# KiCad board APA102_Matrix.kicad_pcb (continued)
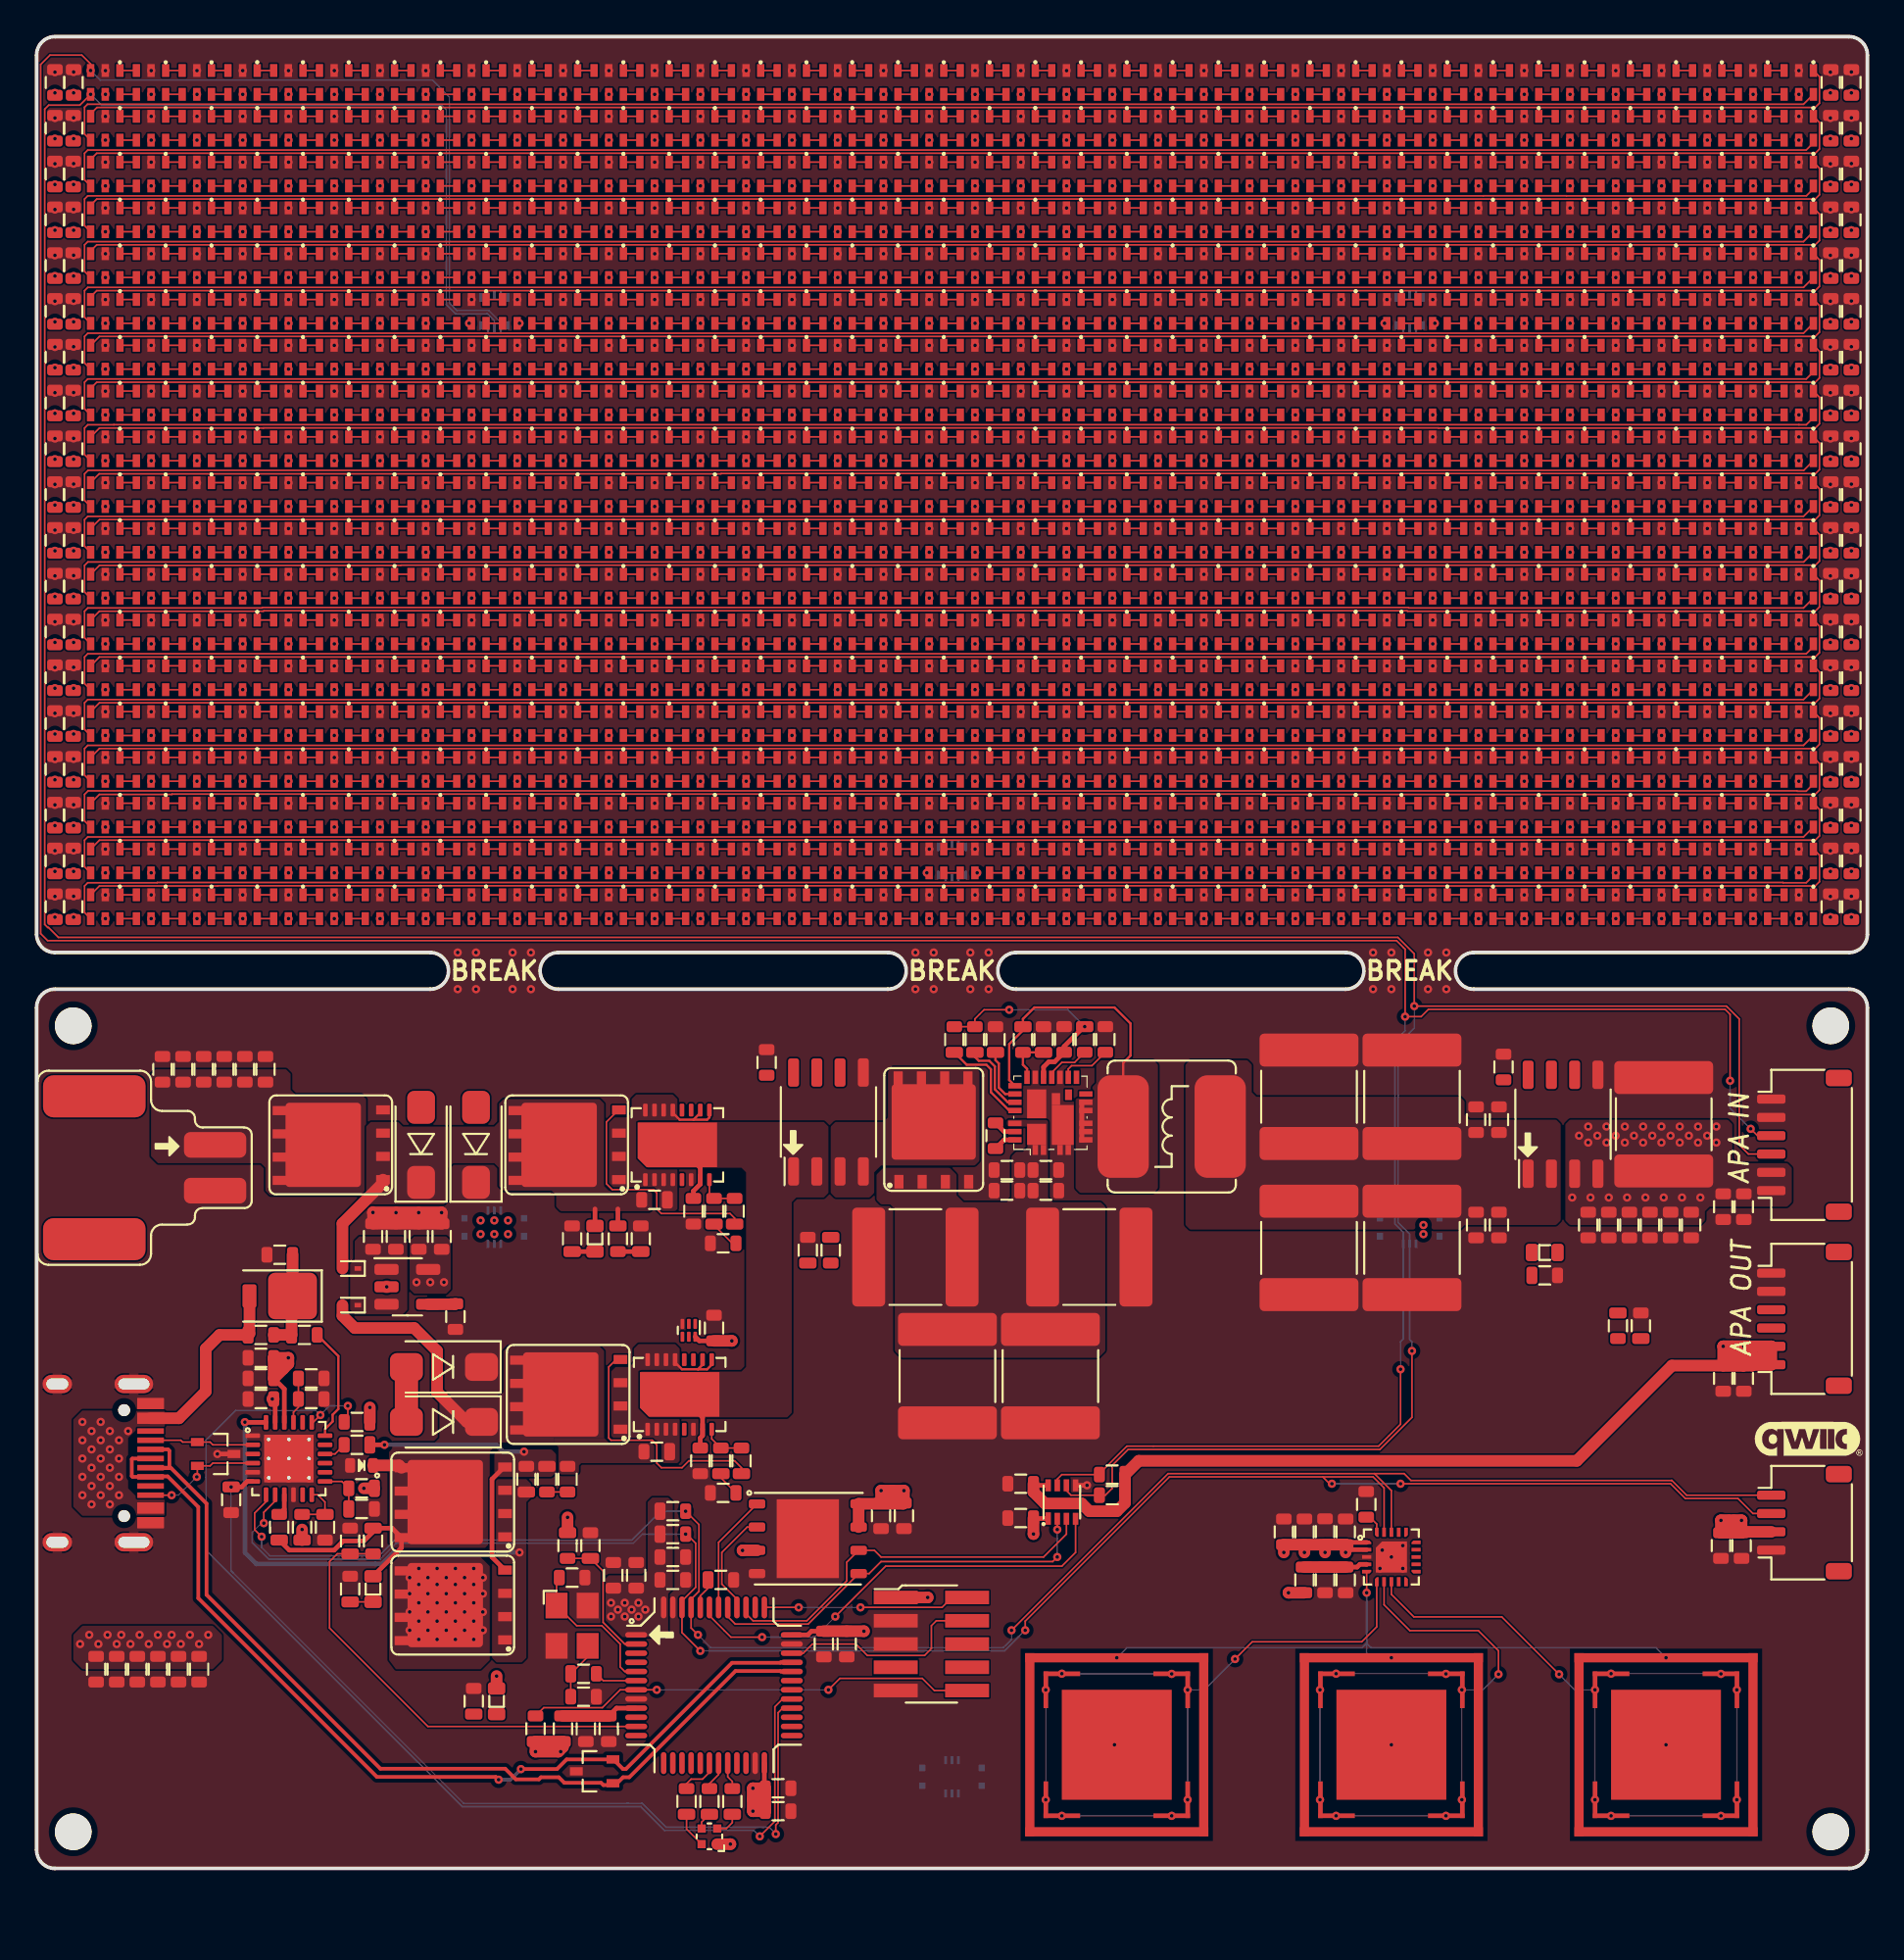
[diagram p0: board, top side]
## Routing (per net, layer and track width the routed paths; a pad name or vN(x,y) marks a point on that pad's centre or on a via; arc(x,y) is an arc through that point) (continued)
  F_PWR_SIGNAL.Cu w0.089: D502.1 D503.3
Net-(D502-Pad6): length 0.9
  F_PWR_SIGNAL.Cu w0.089: D502.6 D503.4
Net-(D503-Pad1): length 0.9
  F_PWR_SIGNAL.Cu w0.089: D503.1 D504.3
Net-(D503-Pad6): length 0.9
  F_PWR_SIGNAL.Cu w0.089: D503.6 D504.4
Net-(D504-Pad1): length 0.9
  F_PWR_SIGNAL.Cu w0.089: D504.1 D505.3
Net-(D504-Pad6): length 0.9
  F_PWR_SIGNAL.Cu w0.089: D504.6 D505.4
Net-(D505-Pad1): length 0.9
  F_PWR_SIGNAL.Cu w0.089: D505.1 D506.3
Net-(D505-Pad6): length 0.9
  F_PWR_SIGNAL.Cu w0.089: D505.6 D506.4
Net-(D506-Pad1): length 0.9
  F_PWR_SIGNAL.Cu w0.089: D506.1 D507.3
Net-(D506-Pad6): length 0.9
  F_PWR_SIGNAL.Cu w0.089: D506.6 D507.4
Net-(D507-Pad1): length 0.9
  F_PWR_SIGNAL.Cu w0.089: D507.1 D508.3
Net-(D507-Pad6): length 0.9
  F_PWR_SIGNAL.Cu w0.089: D507.6 D508.4
Net-(D508-Pad1): length 0.9
  F_PWR_SIGNAL.Cu w0.089: D508.1 D509.3
Net-(D508-Pad6): length 0.9
  F_PWR_SIGNAL.Cu w0.089: D508.6 D509.4
Net-(D509-Pad1): length 0.9
  F_PWR_SIGNAL.Cu w0.089: D509.1 D510.3
Net-(D509-Pad6): length 0.9
  F_PWR_SIGNAL.Cu w0.089: D509.6 D510.4
Net-(D510-Pad1): length 0.9
  F_PWR_SIGNAL.Cu w0.089: D510.1 D511.3
Net-(D510-Pad6): length 0.9
  F_PWR_SIGNAL.Cu w0.089: D510.6 D511.4
Net-(D511-Pad1): length 0.9
  F_PWR_SIGNAL.Cu w0.089: D511.1 D512.3
Net-(D511-Pad6): length 0.9
  F_PWR_SIGNAL.Cu w0.089: D511.6 D512.4
Net-(D512-Pad1): length 0.9
  F_PWR_SIGNAL.Cu w0.089: D512.1 D513.3
Net-(D512-Pad6): length 0.9
  F_PWR_SIGNAL.Cu w0.089: D512.6 D513.4
Net-(D513-Pad1): length 0.9
  F_PWR_SIGNAL.Cu w0.089: D513.1 D514.3
Net-(D513-Pad6): length 0.9
  F_PWR_SIGNAL.Cu w0.089: D513.6 D514.4
Net-(D514-Pad1): length 0.9
  F_PWR_SIGNAL.Cu w0.089: D514.1 D515.3
Net-(D514-Pad6): length 0.9
  F_PWR_SIGNAL.Cu w0.089: D514.6 D515.4
Net-(D515-Pad1): length 0.9
  F_PWR_SIGNAL.Cu w0.089: D515.1 D516.3
Net-(D515-Pad6): length 0.9
  F_PWR_SIGNAL.Cu w0.089: D515.6 D516.4
Net-(D516-Pad1): length 0.9
  F_PWR_SIGNAL.Cu w0.089: D516.1 D517.3
Net-(D516-Pad6): length 0.9
  F_PWR_SIGNAL.Cu w0.089: D516.6 D517.4
Net-(D517-Pad1): length 0.9
  F_PWR_SIGNAL.Cu w0.089: D517.1 D518.3
Net-(D517-Pad6): length 0.9
  F_PWR_SIGNAL.Cu w0.089: D517.6 D518.4
Net-(D518-Pad1): length 0.9
  F_PWR_SIGNAL.Cu w0.089: D518.1 D519.3
Net-(D518-Pad6): length 0.9
  F_PWR_SIGNAL.Cu w0.089: D518.6 D519.4
Net-(D519-Pad1): length 0.9
  F_PWR_SIGNAL.Cu w0.089: D519.1 D520.3
Net-(D519-Pad6): length 0.9
  F_PWR_SIGNAL.Cu w0.089: D519.6 D520.4
Net-(D520-Pad1): length 0.9
  F_PWR_SIGNAL.Cu w0.089: D520.1 D521.3
Net-(D520-Pad6): length 0.9
  F_PWR_SIGNAL.Cu w0.089: D520.6 D521.4
Net-(D521-Pad1): length 0.9
  F_PWR_SIGNAL.Cu w0.089: D521.1 D522.3
Net-(D521-Pad6): length 0.9
  F_PWR_SIGNAL.Cu w0.089: D521.6 D522.4
Net-(D522-Pad1): length 0.9
  F_PWR_SIGNAL.Cu w0.089: D522.1 D523.3
Net-(D522-Pad6): length 0.9
  F_PWR_SIGNAL.Cu w0.089: D522.6 D523.4
Net-(D523-Pad1): length 0.9
  F_PWR_SIGNAL.Cu w0.089: D523.1 D524.3
Net-(D523-Pad6): length 0.9
  F_PWR_SIGNAL.Cu w0.089: D523.6 D524.4
Net-(D524-Pad1): length 0.9
  F_PWR_SIGNAL.Cu w0.089: D524.1 D525.3
Net-(D524-Pad6): length 0.9
  F_PWR_SIGNAL.Cu w0.089: D524.6 D525.4
Net-(D525-Pad1): length 0.9
  F_PWR_SIGNAL.Cu w0.089: D525.1 D526.3
Net-(D525-Pad6): length 0.9
  F_PWR_SIGNAL.Cu w0.089: D525.6 D526.4
Net-(D526-Pad1): length 0.9
  F_PWR_SIGNAL.Cu w0.089: D526.1 D527.3
Net-(D526-Pad6): length 0.9
  F_PWR_SIGNAL.Cu w0.089: D526.6 D527.4
Net-(D527-Pad1): length 0.9
  F_PWR_SIGNAL.Cu w0.089: D527.1 D528.3
Net-(D527-Pad6): length 0.9
  F_PWR_SIGNAL.Cu w0.089: D527.6 D528.4
Net-(D528-Pad1): length 0.9
  F_PWR_SIGNAL.Cu w0.089: D528.1 D529.3
Net-(D528-Pad6): length 0.9
  F_PWR_SIGNAL.Cu w0.089: D528.6 D529.4
Net-(D529-Pad1): length 0.9
  F_PWR_SIGNAL.Cu w0.089: D529.1 D530.3
Net-(D529-Pad6): length 0.9
  F_PWR_SIGNAL.Cu w0.089: D529.6 D530.4
Net-(D530-Pad1): length 0.9
  F_PWR_SIGNAL.Cu w0.089: D530.1 D531.3
Net-(D530-Pad6): length 0.9
  F_PWR_SIGNAL.Cu w0.089: D530.6 D531.4
Net-(D531-Pad1): length 0.9
  F_PWR_SIGNAL.Cu w0.089: D531.1 D532.3
Net-(D531-Pad6): length 0.9
  F_PWR_SIGNAL.Cu w0.089: D531.6 D532.4
Net-(D533-Pad1): length 0.9
  F_PWR_SIGNAL.Cu w0.089: D533.1 D534.3
Net-(D533-Pad6): length 0.9
  F_PWR_SIGNAL.Cu w0.089: D533.6 D534.4
Net-(D534-Pad1): length 0.9
  F_PWR_SIGNAL.Cu w0.089: D534.1 D535.3
Net-(D534-Pad6): length 0.9
  F_PWR_SIGNAL.Cu w0.089: D534.6 D535.4
Net-(D535-Pad1): length 0.9
  F_PWR_SIGNAL.Cu w0.089: D535.1 D536.3
Net-(D535-Pad6): length 0.9
  F_PWR_SIGNAL.Cu w0.089: D535.6 D536.4
Net-(D536-Pad1): length 0.9
  F_PWR_SIGNAL.Cu w0.089: D536.1 D537.3
Net-(D536-Pad6): length 0.9
  F_PWR_SIGNAL.Cu w0.089: D536.6 D537.4
Net-(D537-Pad1): length 0.9
  F_PWR_SIGNAL.Cu w0.089: D537.1 D538.3
Net-(D537-Pad6): length 0.9
  F_PWR_SIGNAL.Cu w0.089: D537.6 D538.4
Net-(D538-Pad1): length 0.9
  F_PWR_SIGNAL.Cu w0.089: D538.1 D539.3
Net-(D538-Pad6): length 0.9
  F_PWR_SIGNAL.Cu w0.089: D538.6 D539.4
Net-(D539-Pad1): length 0.9
  F_PWR_SIGNAL.Cu w0.089: D539.1 D540.3
Net-(D539-Pad6): length 0.9
  F_PWR_SIGNAL.Cu w0.089: D539.6 D540.4
Net-(D540-Pad1): length 0.9
  F_PWR_SIGNAL.Cu w0.089: D540.1 D541.3
Net-(D540-Pad6): length 0.9
  F_PWR_SIGNAL.Cu w0.089: D540.6 D541.4
Net-(D541-Pad1): length 0.9
  F_PWR_SIGNAL.Cu w0.089: D541.1 D542.3
Net-(D541-Pad6): length 0.9
  F_PWR_SIGNAL.Cu w0.089: D541.6 D542.4
Net-(D542-Pad1): length 0.9
  F_PWR_SIGNAL.Cu w0.089: D542.1 D543.3
Net-(D542-Pad6): length 0.9
  F_PWR_SIGNAL.Cu w0.089: D542.6 D543.4
Net-(D543-Pad1): length 0.9
  F_PWR_SIGNAL.Cu w0.089: D543.1 D544.3
Net-(D543-Pad6): length 0.9
  F_PWR_SIGNAL.Cu w0.089: D543.6 D544.4
Net-(D544-Pad1): length 0.9
  F_PWR_SIGNAL.Cu w0.089: D544.1 D545.3
Net-(D544-Pad6): length 0.9
  F_PWR_SIGNAL.Cu w0.089: D544.6 D545.4
Net-(D545-Pad1): length 0.9
  F_PWR_SIGNAL.Cu w0.089: D545.1 D546.3
Net-(D545-Pad6): length 0.9
  F_PWR_SIGNAL.Cu w0.089: D545.6 D546.4
Net-(D546-Pad1): length 0.9
  F_PWR_SIGNAL.Cu w0.089: D546.1 D547.3
Net-(D546-Pad6): length 0.9
  F_PWR_SIGNAL.Cu w0.089: D546.6 D547.4
Net-(D547-Pad1): length 0.9
  F_PWR_SIGNAL.Cu w0.089: D547.1 D548.3
Net-(D547-Pad6): length 0.9
  F_PWR_SIGNAL.Cu w0.089: D547.6 D548.4
Net-(D548-Pad1): length 0.9
  F_PWR_SIGNAL.Cu w0.089: D548.1 D549.3
Net-(D548-Pad6): length 0.9
  F_PWR_SIGNAL.Cu w0.089: D548.6 D549.4
Net-(D549-Pad1): length 0.9
  F_PWR_SIGNAL.Cu w0.089: D549.1 D550.3
Net-(D549-Pad6): length 0.9
  F_PWR_SIGNAL.Cu w0.089: D549.6 D550.4
Net-(D550-Pad1): length 0.9
  F_PWR_SIGNAL.Cu w0.089: D550.1 D551.3
Net-(D550-Pad6): length 0.9
  F_PWR_SIGNAL.Cu w0.089: D550.6 D551.4
Net-(D551-Pad1): length 0.9
  F_PWR_SIGNAL.Cu w0.089: D551.1 D552.3
Net-(D551-Pad6): length 0.9
  F_PWR_SIGNAL.Cu w0.089: D551.6 D552.4
Net-(D552-Pad1): length 0.9
  F_PWR_SIGNAL.Cu w0.089: D552.1 D553.3
Net-(D552-Pad6): length 0.9
  F_PWR_SIGNAL.Cu w0.089: D552.6 D553.4
Net-(D553-Pad1): length 0.9
  F_PWR_SIGNAL.Cu w0.089: D553.1 D554.3
Net-(D553-Pad6): length 0.9
  F_PWR_SIGNAL.Cu w0.089: D553.6 D554.4
Net-(D554-Pad1): length 0.9
  F_PWR_SIGNAL.Cu w0.089: D554.1 D555.3
Net-(D554-Pad6): length 0.9
  F_PWR_SIGNAL.Cu w0.089: D554.6 D555.4
Net-(D555-Pad1): length 0.9
  F_PWR_SIGNAL.Cu w0.089: D555.1 D556.3
Net-(D555-Pad6): length 0.9
  F_PWR_SIGNAL.Cu w0.089: D555.6 D556.4
Net-(D556-Pad1): length 0.9
  F_PWR_SIGNAL.Cu w0.089: D556.1 D557.3
Net-(D556-Pad6): length 0.9
  F_PWR_SIGNAL.Cu w0.089: D556.6 D557.4
Net-(D557-Pad1): length 0.9
  F_PWR_SIGNAL.Cu w0.089: D557.1 D558.3
Net-(D557-Pad6): length 0.9
  F_PWR_SIGNAL.Cu w0.089: D557.6 D558.4
Net-(D558-Pad1): length 0.9
  F_PWR_SIGNAL.Cu w0.089: D558.1 D559.3
Net-(D558-Pad6): length 0.9
  F_PWR_SIGNAL.Cu w0.089: D558.6 D559.4
Net-(D559-Pad1): length 0.9
  F_PWR_SIGNAL.Cu w0.089: D559.1 D560.3
Net-(D559-Pad6): length 0.9
  F_PWR_SIGNAL.Cu w0.089: D559.6 D560.4
Net-(D560-Pad1): length 0.9
  F_PWR_SIGNAL.Cu w0.089: D560.1 D561.3
Net-(D560-Pad6): length 0.9
  F_PWR_SIGNAL.Cu w0.089: D560.6 D561.4
Net-(D561-Pad1): length 0.9
  F_PWR_SIGNAL.Cu w0.089: D561.1 D562.3
Net-(D561-Pad6): length 0.9
  F_PWR_SIGNAL.Cu w0.089: D561.6 D562.4
Net-(D562-Pad1): length 0.9
  F_PWR_SIGNAL.Cu w0.089: D562.1 D563.3
Net-(D562-Pad6): length 0.9
  F_PWR_SIGNAL.Cu w0.089: D562.6 D563.4
Net-(D563-Pad1): length 0.9
  F_PWR_SIGNAL.Cu w0.089: D563.1 D564.3
Net-(D563-Pad6): length 0.9
  F_PWR_SIGNAL.Cu w0.089: D563.6 D564.4
Net-(D564-Pad1): length 0.9
  F_PWR_SIGNAL.Cu w0.089: D564.1 D565.3
Net-(D564-Pad6): length 0.9
  F_PWR_SIGNAL.Cu w0.089: D564.6 D565.4
Net-(D565-Pad1): length 0.9
  F_PWR_SIGNAL.Cu w0.089: D565.1 D566.3
Net-(D565-Pad6): length 0.9
  F_PWR_SIGNAL.Cu w0.089: D565.6 D566.4
Net-(D566-Pad1): length 0.9
  F_PWR_SIGNAL.Cu w0.089: D566.1 D567.3
Net-(D566-Pad6): length 0.9
  F_PWR_SIGNAL.Cu w0.089: D566.6 D567.4
Net-(D567-Pad1): length 0.9
  F_PWR_SIGNAL.Cu w0.089: D567.1 D568.3
Net-(D567-Pad6): length 0.9
  F_PWR_SIGNAL.Cu w0.089: D567.6 D568.4
Net-(D568-Pad1): length 0.9
  F_PWR_SIGNAL.Cu w0.089: D568.1 D569.3
Net-(D568-Pad6): length 0.9
  F_PWR_SIGNAL.Cu w0.089: D568.6 D569.4
Net-(D569-Pad1): length 0.9
  F_PWR_SIGNAL.Cu w0.089: D569.1 D570.3
Net-(D569-Pad6): length 0.9
  F_PWR_SIGNAL.Cu w0.089: D569.6 D570.4
Net-(D571-Pad1): length 0.9
  F_PWR_SIGNAL.Cu w0.089: D571.1 D572.3
Net-(D571-Pad6): length 0.9
  F_PWR_SIGNAL.Cu w0.089: D571.6 D572.4
Net-(D572-Pad1): length 0.9
  F_PWR_SIGNAL.Cu w0.089: D572.1 D573.3
Net-(D572-Pad6): length 0.9
  F_PWR_SIGNAL.Cu w0.089: D572.6 D573.4
Net-(D573-Pad1): length 0.9
  F_PWR_SIGNAL.Cu w0.089: D573.1 D574.3
Net-(D573-Pad6): length 0.9
  F_PWR_SIGNAL.Cu w0.089: D573.6 D574.4
Net-(D574-Pad1): length 0.9
  F_PWR_SIGNAL.Cu w0.089: D574.1 D575.3
Net-(D574-Pad6): length 0.9
  F_PWR_SIGNAL.Cu w0.089: D574.6 D575.4
Net-(D575-Pad1): length 0.9
  F_PWR_SIGNAL.Cu w0.089: D575.1 D576.3
Net-(D575-Pad6): length 0.9
  F_PWR_SIGNAL.Cu w0.089: D575.6 D576.4
Net-(D576-Pad1): length 0.9
  F_PWR_SIGNAL.Cu w0.089: D576.1 D577.3
Net-(D576-Pad6): length 0.9
  F_PWR_SIGNAL.Cu w0.089: D576.6 D577.4
Net-(D577-Pad1): length 0.9
  F_PWR_SIGNAL.Cu w0.089: D577.1 D578.3
Net-(D577-Pad6): length 0.9
  F_PWR_SIGNAL.Cu w0.089: D577.6 D578.4
Net-(D578-Pad1): length 0.9
  F_PWR_SIGNAL.Cu w0.089: D578.1 D579.3
Net-(D578-Pad6): length 0.9
  F_PWR_SIGNAL.Cu w0.089: D578.6 D579.4
Net-(D579-Pad1): length 0.9
  F_PWR_SIGNAL.Cu w0.089: D579.1 D580.3
Net-(D579-Pad6): length 0.9
  F_PWR_SIGNAL.Cu w0.089: D579.6 D580.4
Net-(D580-Pad1): length 0.9
  F_PWR_SIGNAL.Cu w0.089: D580.1 D581.3
Net-(D580-Pad6): length 0.9
  F_PWR_SIGNAL.Cu w0.089: D580.6 D581.4
Net-(D581-Pad1): length 0.9
  F_PWR_SIGNAL.Cu w0.089: D581.1 D582.3
Net-(D581-Pad6): length 0.9
  F_PWR_SIGNAL.Cu w0.089: D581.6 D582.4
Net-(D582-Pad1): length 0.9
  F_PWR_SIGNAL.Cu w0.089: D582.1 D583.3
Net-(D582-Pad6): length 0.9
  F_PWR_SIGNAL.Cu w0.089: D582.6 D583.4
Net-(D583-Pad1): length 0.9
  F_PWR_SIGNAL.Cu w0.089: D583.1 D584.3
Net-(D583-Pad6): length 0.9
  F_PWR_SIGNAL.Cu w0.089: D583.6 D584.4
Net-(D584-Pad1): length 0.9
  F_PWR_SIGNAL.Cu w0.089: D584.1 D585.3
Net-(D584-Pad6): length 0.9
  F_PWR_SIGNAL.Cu w0.089: D584.6 D585.4
Net-(D585-Pad1): length 0.9
  F_PWR_SIGNAL.Cu w0.089: D585.1 D586.3
Net-(D585-Pad6): length 0.9
  F_PWR_SIGNAL.Cu w0.089: D585.6 D586.4
Net-(D586-Pad1): length 0.9
  F_PWR_SIGNAL.Cu w0.089: D586.1 D587.3
Net-(D586-Pad6): length 0.9
  F_PWR_SIGNAL.Cu w0.089: D586.6 D587.4
Net-(D587-Pad1): length 0.9
  F_PWR_SIGNAL.Cu w0.089: D587.1 D588.3
Net-(D587-Pad6): length 0.9
  F_PWR_SIGNAL.Cu w0.089: D587.6 D588.4
Net-(D588-Pad1): length 0.9
  F_PWR_SIGNAL.Cu w0.089: D588.1 D589.3
Net-(D588-Pad6): length 0.9
  F_PWR_SIGNAL.Cu w0.089: D588.6 D589.4
Net-(D589-Pad1): length 0.9
  F_PWR_SIGNAL.Cu w0.089: D589.1 D590.3
Net-(D589-Pad6): length 0.9
  F_PWR_SIGNAL.Cu w0.089: D589.6 D590.4
Net-(D590-Pad1): length 0.9
  F_PWR_SIGNAL.Cu w0.089: D590.1 D591.3
Net-(D590-Pad6): length 0.9
  F_PWR_SIGNAL.Cu w0.089: D590.6 D591.4
Net-(D591-Pad1): length 0.9
  F_PWR_SIGNAL.Cu w0.089: D591.1 D592.3
Net-(D591-Pad6): length 0.9
  F_PWR_SIGNAL.Cu w0.089: D591.6 D592.4
Net-(D592-Pad1): length 0.9
  F_PWR_SIGNAL.Cu w0.089: D592.1 D593.3
Net-(D592-Pad6): length 0.9
  F_PWR_SIGNAL.Cu w0.089: D592.6 D593.4
Net-(D593-Pad1): length 0.9
  F_PWR_SIGNAL.Cu w0.089: D593.1 D594.3
Net-(D593-Pad6): length 0.9
  F_PWR_SIGNAL.Cu w0.089: D593.6 D594.4
Net-(D594-Pad1): length 0.9
  F_PWR_SIGNAL.Cu w0.089: D594.1 D595.3
Net-(D594-Pad6): length 0.9
  F_PWR_SIGNAL.Cu w0.089: D594.6 D595.4
Net-(D595-Pad1): length 0.9
  F_PWR_SIGNAL.Cu w0.089: D595.1 D596.3
Net-(D595-Pad6): length 0.9
  F_PWR_SIGNAL.Cu w0.089: D595.6 D596.4
Net-(D596-Pad1): length 0.9
  F_PWR_SIGNAL.Cu w0.089: D596.1 D597.3
Net-(D596-Pad6): length 0.9
  F_PWR_SIGNAL.Cu w0.089: D596.6 D597.4
Net-(D597-Pad1): length 0.9
  F_PWR_SIGNAL.Cu w0.089: D597.1 D598.3
Net-(D597-Pad6): length 0.9
  F_PWR_SIGNAL.Cu w0.089: D597.6 D598.4
Net-(D598-Pad1): length 0.9
  F_PWR_SIGNAL.Cu w0.089: D598.1 D599.3
Net-(D598-Pad6): length 0.9
  F_PWR_SIGNAL.Cu w0.089: D598.6 D599.4
Net-(D599-Pad1): length 0.9
  F_PWR_SIGNAL.Cu w0.089: D599.1 D600.3
Net-(D599-Pad6): length 0.9
  F_PWR_SIGNAL.Cu w0.089: D599.6 D600.4
Net-(D600-Pad1): length 0.9
  F_PWR_SIGNAL.Cu w0.089: D600.1 D601.3
Net-(D600-Pad6): length 0.9
  F_PWR_SIGNAL.Cu w0.089: D600.6 D601.4
Net-(D601-Pad1): length 0.9
  F_PWR_SIGNAL.Cu w0.089: D601.1 D602.3
Net-(D601-Pad6): length 0.9
  F_PWR_SIGNAL.Cu w0.089: D601.6 D602.4
Net-(D602-Pad1): length 0.9
  F_PWR_SIGNAL.Cu w0.089: D602.1 D603.3
Net-(D602-Pad6): length 0.9
  F_PWR_SIGNAL.Cu w0.089: D602.6 D603.4
Net-(D603-Pad1): length 0.9
  F_PWR_SIGNAL.Cu w0.089: D603.1 D604.3
Net-(D603-Pad6): length 0.9
  F_PWR_SIGNAL.Cu w0.089: D603.6 D604.4
Net-(D604-Pad1): length 0.9
  F_PWR_SIGNAL.Cu w0.089: D604.1 D605.3
Net-(D604-Pad6): length 0.9
  F_PWR_SIGNAL.Cu w0.089: D604.6 D605.4
Net-(D605-Pad1): length 0.9
  F_PWR_SIGNAL.Cu w0.089: D605.1 D606.3
Net-(D605-Pad6): length 0.9
  F_PWR_SIGNAL.Cu w0.089: D605.6 D606.4
Net-(D606-Pad1): length 0.9
  F_PWR_SIGNAL.Cu w0.089: D606.1 D607.3
Net-(D606-Pad6): length 0.9
  F_PWR_SIGNAL.Cu w0.089: D606.6 D607.4
Net-(D607-Pad1): length 0.9
  F_PWR_SIGNAL.Cu w0.089: D607.1 D608.3
Net-(D607-Pad6): length 0.9
  F_PWR_SIGNAL.Cu w0.089: D607.6 D608.4
Net-(D609-Pad1): length 0.9
  F_PWR_SIGNAL.Cu w0.089: D609.1 D610.3
Net-(D609-Pad6): length 0.9
  F_PWR_SIGNAL.Cu w0.089: D609.6 D610.4
Net-(D610-Pad1): length 0.9
  F_PWR_SIGNAL.Cu w0.089: D610.1 D611.3
Net-(D610-Pad6): length 0.9
  F_PWR_SIGNAL.Cu w0.089: D610.6 D611.4
Net-(D611-Pad1): length 0.9
  F_PWR_SIGNAL.Cu w0.089: D611.1 D612.3
Net-(D611-Pad6): length 0.9
  F_PWR_SIGNAL.Cu w0.089: D611.6 D612.4
Net-(D612-Pad1): length 0.9
  F_PWR_SIGNAL.Cu w0.089: D612.1 D613.3
Net-(D612-Pad6): length 0.9
  F_PWR_SIGNAL.Cu w0.089: D612.6 D613.4
Net-(D613-Pad1): length 0.9
  F_PWR_SIGNAL.Cu w0.089: D613.1 D614.3
Net-(D613-Pad6): length 0.9
  F_PWR_SIGNAL.Cu w0.089: D613.6 D614.4
Net-(D614-Pad1): length 0.9
  F_PWR_SIGNAL.Cu w0.089: D614.1 D615.3
Net-(D614-Pad6): length 0.9
  F_PWR_SIGNAL.Cu w0.089: D614.6 D615.4
Net-(D615-Pad1): length 0.9
  F_PWR_SIGNAL.Cu w0.089: D615.1 D616.3
Net-(D615-Pad6): length 0.9
  F_PWR_SIGNAL.Cu w0.089: D615.6 D616.4
Net-(D616-Pad1): length 0.9
  F_PWR_SIGNAL.Cu w0.089: D616.1 D617.3
Net-(D616-Pad6): length 0.9
  F_PWR_SIGNAL.Cu w0.089: D616.6 D617.4
Net-(D617-Pad1): length 0.9
  F_PWR_SIGNAL.Cu w0.089: D617.1 D618.3
Net-(D617-Pad6): length 0.9
  F_PWR_SIGNAL.Cu w0.089: D617.6 D618.4
Net-(D618-Pad1): length 0.9
  F_PWR_SIGNAL.Cu w0.089: D618.1 D619.3
Net-(D618-Pad6): length 0.9
  F_PWR_SIGNAL.Cu w0.089: D618.6 D619.4
Net-(D619-Pad1): length 0.9
  F_PWR_SIGNAL.Cu w0.089: D619.1 D620.3
Net-(D619-Pad6): length 0.9
  F_PWR_SIGNAL.Cu w0.089: D619.6 D620.4
Net-(D620-Pad1): length 0.9
  F_PWR_SIGNAL.Cu w0.089: D620.1 D621.3
Net-(D620-Pad6): length 0.9
  F_PWR_SIGNAL.Cu w0.089: D620.6 D621.4
Net-(D621-Pad1): length 0.9
  F_PWR_SIGNAL.Cu w0.089: D621.1 D622.3
Net-(D621-Pad6): length 0.9
  F_PWR_SIGNAL.Cu w0.089: D621.6 D622.4
Net-(D622-Pad1): length 0.9
  F_PWR_SIGNAL.Cu w0.089: D622.1 D623.3
Net-(D622-Pad6): length 0.9
  F_PWR_SIGNAL.Cu w0.089: D622.6 D623.4
Net-(D623-Pad1): length 0.9
  F_PWR_SIGNAL.Cu w0.089: D623.1 D624.3
Net-(D623-Pad6): length 0.9
  F_PWR_SIGNAL.Cu w0.089: D623.6 D624.4
Net-(D624-Pad1): length 0.9
  F_PWR_SIGNAL.Cu w0.089: D624.1 D625.3
Net-(D624-Pad6): length 0.9
  F_PWR_SIGNAL.Cu w0.089: D624.6 D625.4
Net-(D625-Pad1): length 0.9
  F_PWR_SIGNAL.Cu w0.089: D625.1 D626.3
Net-(D625-Pad6): length 0.9
  F_PWR_SIGNAL.Cu w0.089: D625.6 D626.4
Net-(D626-Pad1): length 0.9
  F_PWR_SIGNAL.Cu w0.089: D626.1 D627.3
Net-(D626-Pad6): length 0.9
  F_PWR_SIGNAL.Cu w0.089: D626.6 D627.4
Net-(D627-Pad1): length 0.9
  F_PWR_SIGNAL.Cu w0.089: D627.1 D628.3
Net-(D627-Pad6): length 0.9
  F_PWR_SIGNAL.Cu w0.089: D627.6 D628.4
Net-(D628-Pad1): length 0.9
  F_PWR_SIGNAL.Cu w0.089: D628.1 D629.3
Net-(D628-Pad6): length 0.9
  F_PWR_SIGNAL.Cu w0.089: D628.6 D629.4
Net-(D629-Pad1): length 0.9
  F_PWR_SIGNAL.Cu w0.089: D629.1 D630.3
Net-(D629-Pad6): length 0.9
  F_PWR_SIGNAL.Cu w0.089: D629.6 D630.4
Net-(D630-Pad1): length 0.9
  F_PWR_SIGNAL.Cu w0.089: D630.1 D631.3
Net-(D630-Pad6): length 0.9
  F_PWR_SIGNAL.Cu w0.089: D630.6 D631.4
Net-(D631-Pad1): length 0.9
  F_PWR_SIGNAL.Cu w0.089: D631.1 D632.3
Net-(D631-Pad6): length 0.9
  F_PWR_SIGNAL.Cu w0.089: D631.6 D632.4
Net-(D632-Pad1): length 0.9
  F_PWR_SIGNAL.Cu w0.089: D632.1 D633.3
Net-(D632-Pad6): length 0.9
  F_PWR_SIGNAL.Cu w0.089: D632.6 D633.4
Net-(D633-Pad1): length 0.9
  F_PWR_SIGNAL.Cu w0.089: D633.1 D634.3
Net-(D633-Pad6): length 0.9
  F_PWR_SIGNAL.Cu w0.089: D633.6 D634.4
Net-(D634-Pad1): length 0.9
  F_PWR_SIGNAL.Cu w0.089: D634.1 D635.3
Net-(D634-Pad6): length 0.9
  F_PWR_SIGNAL.Cu w0.089: D634.6 D635.4
Net-(D635-Pad1): length 0.9
  F_PWR_SIGNAL.Cu w0.089: D635.1 D636.3
Net-(D635-Pad6): length 0.9
  F_PWR_SIGNAL.Cu w0.089: D635.6 D636.4
Net-(D636-Pad1): length 0.9
  F_PWR_SIGNAL.Cu w0.089: D636.1 D637.3
Net-(D636-Pad6): length 0.9
  F_PWR_SIGNAL.Cu w0.089: D636.6 D637.4
Net-(D637-Pad1): length 0.9
  F_PWR_SIGNAL.Cu w0.089: D637.1 D638.3
Net-(D637-Pad6): length 0.9
  F_PWR_SIGNAL.Cu w0.089: D637.6 D638.4
Net-(D638-Pad1): length 0.9
  F_PWR_SIGNAL.Cu w0.089: D638.1 D639.3
Net-(D638-Pad6): length 0.9
  F_PWR_SIGNAL.Cu w0.089: D638.6 D639.4
Net-(D639-Pad1): length 0.9
  F_PWR_SIGNAL.Cu w0.089: D639.1 D640.3
Net-(D639-Pad6): length 0.9
  F_PWR_SIGNAL.Cu w0.089: D639.6 D640.4
Net-(D640-Pad1): length 0.9
  F_PWR_SIGNAL.Cu w0.089: D640.1 D641.3
Net-(D640-Pad6): length 0.9
  F_PWR_SIGNAL.Cu w0.089: D640.6 D641.4
Net-(D641-Pad1): length 0.9
  F_PWR_SIGNAL.Cu w0.089: D641.1 D642.3
Net-(D641-Pad6): length 0.9
  F_PWR_SIGNAL.Cu w0.089: D641.6 D642.4
Net-(D642-Pad1): length 0.9
  F_PWR_SIGNAL.Cu w0.089: D642.1 D643.3
Net-(D642-Pad6): length 0.9
  F_PWR_SIGNAL.Cu w0.089: D642.6 D643.4
Net-(D643-Pad1): length 0.9
  F_PWR_SIGNAL.Cu w0.089: D643.1 D644.3
Net-(D643-Pad6): length 0.9
  F_PWR_SIGNAL.Cu w0.089: D643.6 D644.4
Net-(D644-Pad1): length 0.9
  F_PWR_SIGNAL.Cu w0.089: D644.1 D645.3
Net-(D644-Pad6): length 0.9
  F_PWR_SIGNAL.Cu w0.089: D644.6 D645.4
Net-(D645-Pad1): length 0.9
  F_PWR_SIGNAL.Cu w0.089: D645.1 D646.3
Net-(D645-Pad6): length 0.9
  F_PWR_SIGNAL.Cu w0.089: D645.6 D646.4
Net-(D647-Pad1): length 0.9
  F_PWR_SIGNAL.Cu w0.089: D647.1 D648.3
Net-(D647-Pad6): length 0.9
  F_PWR_SIGNAL.Cu w0.089: D647.6 D648.4
Net-(D648-Pad1): length 0.9
  F_PWR_SIGNAL.Cu w0.089: D648.1 D649.3
Net-(D648-Pad6): length 0.9
  F_PWR_SIGNAL.Cu w0.089: D648.6 D649.4
Net-(D649-Pad1): length 0.9
  F_PWR_SIGNAL.Cu w0.089: D649.1 D650.3
Net-(D649-Pad6): length 0.9
  F_PWR_SIGNAL.Cu w0.089: D649.6 D650.4
Net-(D650-Pad1): length 0.9
  F_PWR_SIGNAL.Cu w0.089: D650.1 D651.3
Net-(D650-Pad6): length 0.9
  F_PWR_SIGNAL.Cu w0.089: D650.6 D651.4
Net-(D651-Pad1): length 0.9
  F_PWR_SIGNAL.Cu w0.089: D651.1 D652.3
Net-(D651-Pad6): length 0.9
  F_PWR_SIGNAL.Cu w0.089: D651.6 D652.4
Net-(D652-Pad1): length 0.9
  F_PWR_SIGNAL.Cu w0.089: D652.1 D653.3
Net-(D652-Pad6): length 0.9
  F_PWR_SIGNAL.Cu w0.089: D652.6 D653.4
Net-(D653-Pad1): length 0.9
  F_PWR_SIGNAL.Cu w0.089: D653.1 D654.3
Net-(D653-Pad6): length 0.9
  F_PWR_SIGNAL.Cu w0.089: D653.6 D654.4
Net-(D654-Pad1): length 0.9
  F_PWR_SIGNAL.Cu w0.089: D654.1 D655.3
Net-(D654-Pad6): length 0.9
  F_PWR_SIGNAL.Cu w0.089: D654.6 D655.4
Net-(D655-Pad1): length 0.9
  F_PWR_SIGNAL.Cu w0.089: D655.1 D656.3
Net-(D655-Pad6): length 0.9
  F_PWR_SIGNAL.Cu w0.089: D655.6 D656.4
Net-(D656-Pad1): length 0.9
  F_PWR_SIGNAL.Cu w0.089: D656.1 D657.3
Net-(D656-Pad6): length 0.9
  F_PWR_SIGNAL.Cu w0.089: D656.6 D657.4
Net-(D657-Pad1): length 0.9
  F_PWR_SIGNAL.Cu w0.089: D657.1 D658.3
Net-(D657-Pad6): length 0.9
  F_PWR_SIGNAL.Cu w0.089: D657.6 D658.4
Net-(D658-Pad1): length 0.9
  F_PWR_SIGNAL.Cu w0.089: D658.1 D659.3
Net-(D658-Pad6): length 0.9
  F_PWR_SIGNAL.Cu w0.089: D658.6 D659.4
Net-(D659-Pad1): length 0.9
  F_PWR_SIGNAL.Cu w0.089: D659.1 D660.3
Net-(D659-Pad6): length 0.9
  F_PWR_SIGNAL.Cu w0.089: D659.6 D660.4
Net-(D660-Pad1): length 0.9
  F_PWR_SIGNAL.Cu w0.089: D660.1 D661.3
Net-(D660-Pad6): length 0.9
  F_PWR_SIGNAL.Cu w0.089: D660.6 D661.4
Net-(D661-Pad1): length 0.9
  F_PWR_SIGNAL.Cu w0.089: D661.1 D662.3
Net-(D661-Pad6): length 0.9
  F_PWR_SIGNAL.Cu w0.089: D661.6 D662.4
Net-(D662-Pad1): length 0.9
  F_PWR_SIGNAL.Cu w0.089: D662.1 D663.3
Net-(D662-Pad6): length 0.9
  F_PWR_SIGNAL.Cu w0.089: D662.6 D663.4
Net-(D663-Pad1): length 0.9
  F_PWR_SIGNAL.Cu w0.089: D663.1 D664.3
Net-(D663-Pad6): length 0.9
  F_PWR_SIGNAL.Cu w0.089: D663.6 D664.4
Net-(D664-Pad1): length 0.9
  F_PWR_SIGNAL.Cu w0.089: D664.1 D665.3
Net-(D664-Pad6): length 0.9
  F_PWR_SIGNAL.Cu w0.089: D664.6 D665.4
Net-(D665-Pad1): length 0.9
  F_PWR_SIGNAL.Cu w0.089: D665.1 D666.3
Net-(D665-Pad6): length 0.9
  F_PWR_SIGNAL.Cu w0.089: D665.6 D666.4
Net-(D666-Pad1): length 0.9
  F_PWR_SIGNAL.Cu w0.089: D666.1 D667.3
Net-(D666-Pad6): length 0.9
  F_PWR_SIGNAL.Cu w0.089: D666.6 D667.4
Net-(D667-Pad1): length 0.9
  F_PWR_SIGNAL.Cu w0.089: D667.1 D668.3
Net-(D667-Pad6): length 0.9
  F_PWR_SIGNAL.Cu w0.089: D667.6 D668.4
Net-(D668-Pad1): length 0.9
  F_PWR_SIGNAL.Cu w0.089: D668.1 D669.3
Net-(D668-Pad6): length 0.9
  F_PWR_SIGNAL.Cu w0.089: D668.6 D669.4
Net-(D669-Pad1): length 0.9
  F_PWR_SIGNAL.Cu w0.089: D669.1 D670.3
Net-(D669-Pad6): length 0.9
  F_PWR_SIGNAL.Cu w0.089: D669.6 D670.4
Net-(D670-Pad1): length 0.9
  F_PWR_SIGNAL.Cu w0.089: D670.1 D671.3
Net-(D670-Pad6): length 0.9
  F_PWR_SIGNAL.Cu w0.089: D670.6 D671.4
Net-(D671-Pad1): length 0.9
  F_PWR_SIGNAL.Cu w0.089: D671.1 D672.3
Net-(D671-Pad6): length 0.9
  F_PWR_SIGNAL.Cu w0.089: D671.6 D672.4
Net-(D672-Pad1): length 0.9
  F_PWR_SIGNAL.Cu w0.089: D672.1 D673.3
Net-(D672-Pad6): length 0.9
  F_PWR_SIGNAL.Cu w0.089: D672.6 D673.4
Net-(D673-Pad1): length 0.9
  F_PWR_SIGNAL.Cu w0.089: D673.1 D674.3
Net-(D673-Pad6): length 0.9
  F_PWR_SIGNAL.Cu w0.089: D673.6 D674.4
Net-(D674-Pad1): length 0.9
  F_PWR_SIGNAL.Cu w0.089: D674.1 D675.3
Net-(D674-Pad6): length 0.9
  F_PWR_SIGNAL.Cu w0.089: D674.6 D675.4
Net-(D675-Pad1): length 0.9
  F_PWR_SIGNAL.Cu w0.089: D675.1 D676.3
Net-(D675-Pad6): length 0.9
  F_PWR_SIGNAL.Cu w0.089: D675.6 D676.4
Net-(D676-Pad1): length 0.9
  F_PWR_SIGNAL.Cu w0.089: D676.1 D677.3
Net-(D676-Pad6): length 0.9
  F_PWR_SIGNAL.Cu w0.089: D676.6 D677.4
Net-(D677-Pad1): length 0.9
  F_PWR_SIGNAL.Cu w0.089: D677.1 D678.3
Net-(D677-Pad6): length 0.9
  F_PWR_SIGNAL.Cu w0.089: D677.6 D678.4
Net-(D678-Pad1): length 0.9
  F_PWR_SIGNAL.Cu w0.089: D678.1 D679.3
Net-(D678-Pad6): length 0.9
  F_PWR_SIGNAL.Cu w0.089: D678.6 D679.4
Net-(D679-Pad1): length 0.9
  F_PWR_SIGNAL.Cu w0.089: D679.1 D680.3
Net-(D679-Pad6): length 0.9
  F_PWR_SIGNAL.Cu w0.089: D679.6 D680.4
Net-(D680-Pad1): length 0.9
  F_PWR_SIGNAL.Cu w0.089: D680.1 D681.3
Net-(D680-Pad6): length 0.9
  F_PWR_SIGNAL.Cu w0.089: D680.6 D681.4
Net-(D681-Pad1): length 0.9
  F_PWR_SIGNAL.Cu w0.089: D681.1 D682.3
Net-(D681-Pad6): length 0.9
  F_PWR_SIGNAL.Cu w0.089: D681.6 D682.4
Net-(D682-Pad1): length 0.9
  F_PWR_SIGNAL.Cu w0.089: D682.1 D683.3
Net-(D682-Pad6): length 0.9
  F_PWR_SIGNAL.Cu w0.089: D682.6 D683.4
Net-(D683-Pad1): length 0.9
  F_PWR_SIGNAL.Cu w0.089: D683.1 D684.3
Net-(D683-Pad6): length 0.9
  F_PWR_SIGNAL.Cu w0.089: D683.6 D684.4
Net-(D685-Pad1): length 0.9
  F_PWR_SIGNAL.Cu w0.089: D685.1 D686.3
Net-(D685-Pad6): length 0.9
  F_PWR_SIGNAL.Cu w0.089: D685.6 D686.4
Net-(D686-Pad1): length 0.9
  F_PWR_SIGNAL.Cu w0.089: D686.1 D687.3
Net-(D686-Pad6): length 0.9
  F_PWR_SIGNAL.Cu w0.089: D686.6 D687.4
Net-(D687-Pad1): length 0.9
  F_PWR_SIGNAL.Cu w0.089: D687.1 D688.3
Net-(D687-Pad6): length 0.9
  F_PWR_SIGNAL.Cu w0.089: D687.6 D688.4
Net-(D688-Pad1): length 0.9
  F_PWR_SIGNAL.Cu w0.089: D688.1 D689.3
Net-(D688-Pad6): length 0.9
  F_PWR_SIGNAL.Cu w0.089: D688.6 D689.4
Net-(D689-Pad1): length 0.9
  F_PWR_SIGNAL.Cu w0.089: D689.1 D690.3
Net-(D689-Pad6): length 0.9
  F_PWR_SIGNAL.Cu w0.089: D689.6 D690.4
Net-(D690-Pad1): length 0.9
  F_PWR_SIGNAL.Cu w0.089: D690.1 D691.3
Net-(D690-Pad6): length 0.9
  F_PWR_SIGNAL.Cu w0.089: D690.6 D691.4
